# KiCad board pcb.kicad_pcb (continued)
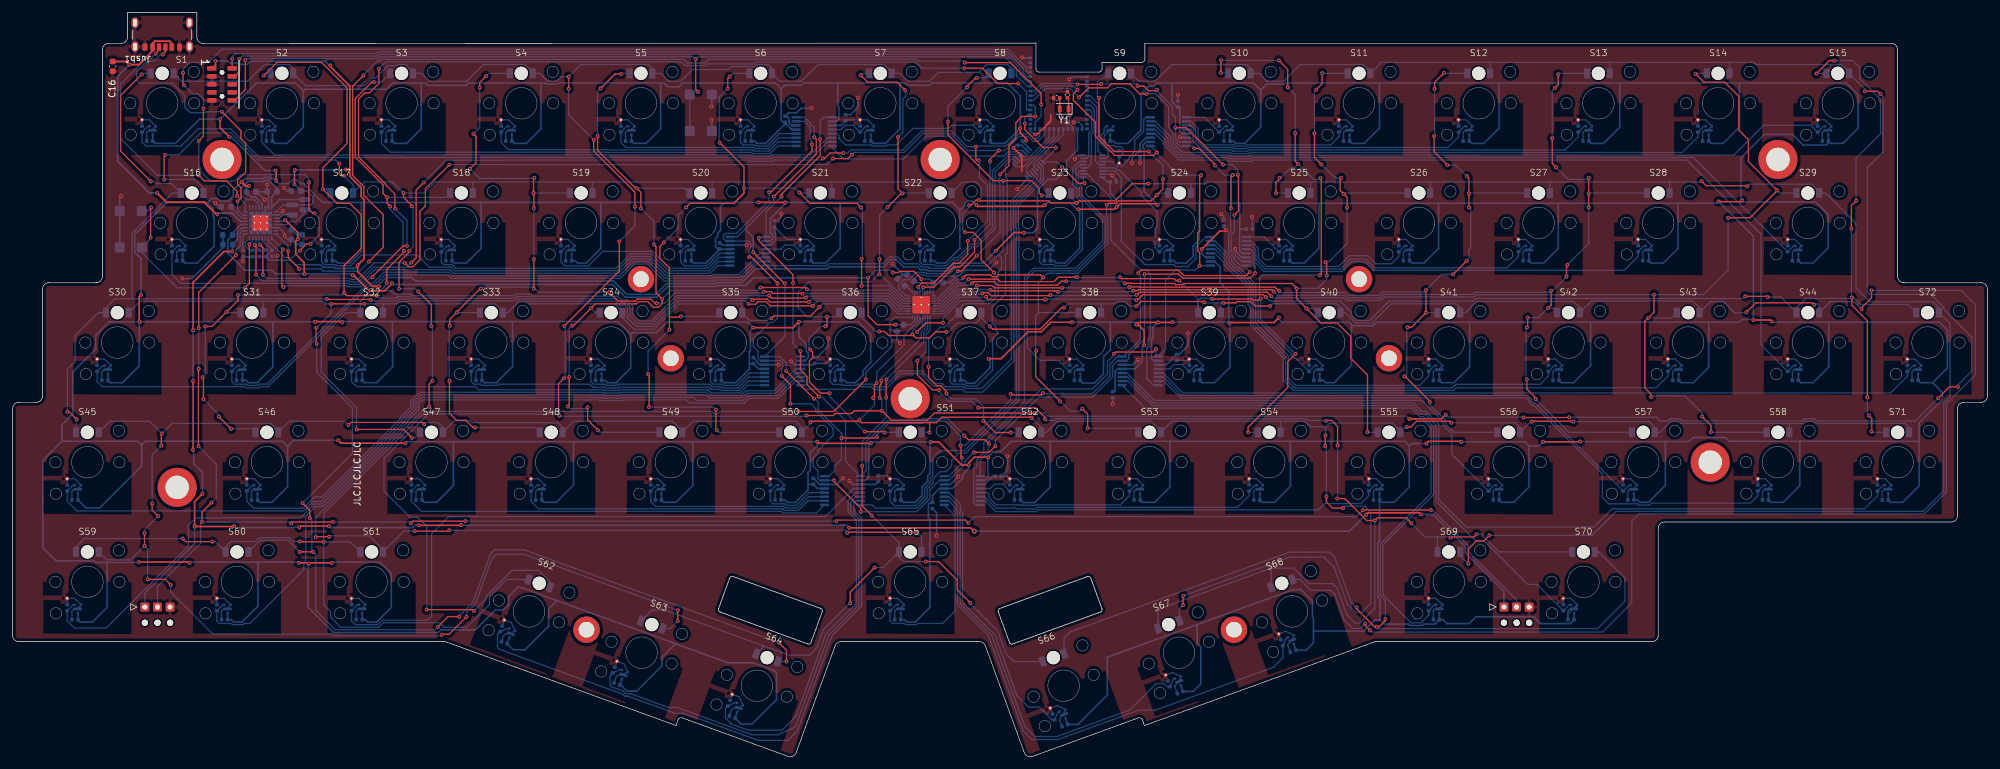
[diagram p0: board, top side]
## Routing (per net, layer and track width the routed paths; a pad name or vN(x,y) marks a point on that pad's centre or on a via; arc(x,y) is an arc through that point) (continued)
  vias: v1(178.6,106.47)
/NRESET: length 146.9
  Top w0.2: v1(108.44,110.73) 108.44,105.91 v1(108.8,105.55) ; v1(36.94,110.57) 36.94,105.89 35.23,104.18
  Bottom w0.2: M1.7 161.05,106.42 159.35,108.13 159.35,109.29 157.53,111.11 108.81,111.11 v1(108.44,110.73) 108.07,111.11 58.36,111.11 58.08,110.82 37.19,110.82 v1(36.94,110.57) ; v1(108.8,105.55) 107.93,105.55 ; SW1.2 SW1.2
/SCL: length 182.3
  Top w0.2: v1(152.92,96.83) 152.92,94.82 153.06,94.68 v1(153.37,94.68) ; v1(38.63,76.52) 38.63,81.11 38.51,81.24 v1(38.42,81.24) ; v1(65.26,91.13) 64.06,89.93 64.06,79.17 v1(63.3,78.41) ; v1(128.62,94.96) 128.68,94.9 128.85,94.9 129.77,95.82 v1(131.87,95.82) ; v1(151.61,81.83) 151.61,79.71 150.21,78.31 149.37,78.31 146.23,75.16 144.34,75.16 v1(143.75,74.57)
  Bottom w0.2: PMIC1.14 38.62,81.44 v1(38.42,81.24) 38.42,81.16 R1.2 ; LEDDR1.28 144.05,74.16 143.75,74.46 v1(143.75,74.57) ; v1(131.87,95.82) 132.57,95.82 133.06,96.31 141.35,96.31 144.36,99.32 149.03,99.32 151.52,96.83 v1(152.92,96.83) 153.01,96.92 157.73,96.92 159.66,98.85 161.37,98.85 162.1,98.13 162.63,98.13 163.05,98.55 M1.18 ; v1(151.61,81.83) 154.76,84.98 154.76,90.68 153.47,91.96 153.47,94.58 v1(153.37,94.68) ; v1(128.62,94.96) 128.62,94.9 128.43,94.71 120.91,94.71 120.72,94.52 117.03,94.52 116.84,94.71 78.43,94.71 78.39,94.67 68.8,94.67 v1(65.26,91.13) ; v1(38.63,76.52) 39.63,75.52 53.4,75.52 53.55,75.37 54.96,75.37 57.28,77.68 62.57,77.68 v1(63.3,78.41)
/SDA: length 180.7
  Top w0.2: v1(156.57,96.22) 155.16,94.81 v1(155.16,94.49) ; v1(39.72,76.52) 39.73,76.53 39.73,80.8 v1(39.27,81.25) ; v1(144.57,74.51) 146.25,74.51 149.45,77.72 150.36,77.72 152.71,80.07 v1(152.71,82.03) ; v1(69.34,93.97) 65.53,90.16 65.53,87.43 64.67,86.58 64.67,78.87 63.55,77.74 62.88,77.74 v1(62.23,78.39) ; v1(130.24,94.94) 132.59,94.94 v1(133.22,95.57)
  Bottom w0.2: v1(155.16,94.49) 155.16,93.13 155.16,93.13 155.16,84.48 v1(152.71,82.03) ; v1(39.72,76.52) 40.32,75.92 53.57,75.92 53.72,75.77 54.8,75.77 57.42,78.39 v1(62.23,78.39) ; v1(144.57,74.51) 144.45,74.39 LEDDR1.29 ; v1(69.34,93.97) 129.27,93.97 v1(130.24,94.94) ; M1.19 163.8,98.73 162.73,97.66 161.99,97.66 161.2,98.45 159.83,98.45 157.6,96.22 v1(156.57,96.22) 151.56,96.22 148.86,98.92 144.53,98.92 141.51,95.91 133.56,95.91 v1(133.22,95.57) ; PMIC1.13 39.12,81.4 v1(39.27,81.25) 39.34,81.25 R2.2
/SW0: length 888.1
  Top w0.2: v1(239.84,53.82) 247.07,53.82 v1(247.11,53.86) ; v1(98.79,87.29) 98.79,89.6 92.25,96.14 v1(92.25,97.92) ; v1(294.04,105.63) 296.1,105.63 v1(296.52,105.21) ; v1(305.7,56.91) 307.49,58.7 v1(308.83,58.7) ; v1(162.26,54.53) 146.34,54.53 145.2,53.39 139.51,53.39 v1(138.02,54.88) 133.61,54.88 133.18,54.45 130.62,54.45 130.3,54.13 v1(126.02,54.13) ; v1(73.22,23.08) 72.99,23.31 v1(65.73,23.31) ; v1(221.73,53.6) 222.69,53.6 222.71,53.62 226.86,53.62 v1(227.49,54.26) ; v1(96.32,81.77) 96.32,77.1 v1(87.58,68.36) ; v1(88.27,107.95) v1(88.27,106.03) ; v1(217.93,21.8) 217.93,21.58 216.94,20.59 v1(216.53,20.59) 216.22,20.59 213.36,23.45 v1(213.36,23.64) ; v1(86.81,54.1) 86.66,54.25 86.66,59.19 v1(87.54,60.06) ; v1(137.89,59.67) 137.89,59.1 137.66,58.87 v1(137.66,56.94)
  Bottom w0.2: 253.52,110.22 253.55,110.19 D13.2 ; 253.52,110.22 234.49,110.22 ; 253.52,110.22 272.5,110.22 ; v1(227.49,54.26) 227.87,53.88 239.78,53.88 v1(239.84,53.82) ; v1(247.11,53.86) 260.95,53.86 261.54,53.27 262.74,53.27 263.09,53.62 264.66,53.62 265.01,53.27 284.11,53.27 284.46,53.62 286.04,53.62 286.39,53.27 302.06,53.27 v1(305.7,56.91) ; 294.68,73.5 294.81,73.37 ; 294.68,73.5 294.81,73.37 ; 294.68,73.5 294.42,73.76 294.42,93.47 296.93,95.98 296.93,104.8 v1(296.52,105.21) ; 294.81,73.37 304.51,73.37 306.6,71.29 306.6,71 311.01,66.59 311.01,61.18 308.83,59 v1(308.83,58.7) ; D9.2 178.8,107.22 181.37,107.22 184.02,109.87 195.95,109.87 196.55,109.27 D10.2 197.88,108.47 199.13,107.22 201.76,107.22 204.41,109.87 214.33,109.87 215.55,108.65 ; 63.55,108.65 62.33,109.87 61.07,109.87 60.89,109.69 59.56,109.69 59.15,109.29 59.15,109.28 57.6,107.73 57.1,107.73 55.89,106.52 46.5,106.52 D2.2 44.55,109.27 43.95,109.87 39.97,109.87 37.32,107.22 26.8,107.22 D1.2 ; 82.55,108.65 81.33,109.87 74.75,109.87 72.09,107.21 66.14,107.21 64.88,108.47 D3.2 ; v1(138.02,54.88) 138.02,56.58 v1(137.66,56.94) ; v1(137.89,59.67) 137.89,60.06 144.22,66.39 144.22,67.41 144.85,68.03 LEDDR1.11 ; v1(88.27,106.03) 88.27,101.9 v1(92.25,97.92) ; 234.49,110.22 234.55,110.16 D12.2 ; 234.49,110.22 217.3,110.22 D11.2 ; D4.2 83.69,108.47 84.94,107.22 86.37,107.22 87.1,107.95 v1(88.27,107.95) 90.19,109.87 100.95,109.87 101.55,109.27 D5.2 102.88,108.47 104.13,107.22 106.05,107.22 107.9,109.07 113.55,109.07 114.03,109.55 116.42,109.55 116.44,109.57 117.46,109.57 117.48,109.55 117.85,109.55 118.17,109.87 119.95,109.87 120.55,109.27 D6.2 121.8,107.22 125.22,107.22 127.87,109.87 138.33,109.87 139.55,108.65 ; v1(213.36,23.64) 213.28,23.64 212.53,24.39 209.91,31.58 209.05,32.44 202.7,32.44 167.94,19.79 166.92,18.77 D66.2 ; v1(98.79,87.29) 98.79,84.24 v1(96.32,81.77) ; D14.2 272.55,110.17 272.5,110.22 ; v1(216.53,20.59) 216.83,20.29 251.61,20.29 255.95,24.63 255.95,28.35 251.82,32.47 D70.2 ; v1(162.26,54.53) 163.83,54.53 164.34,54.02 221.31,54.02 v1(221.73,53.6) 221.79,53.54 223.81,53.54 225.19,52.16 225.19,41.77 217.15,33.73 217.15,25.49 217.93,24.71 v1(217.93,21.8) ; 272.5,110.22 276.37,110.22 276.72,109.87 290.33,109.87 291.55,108.65 ; D7.2 140.88,108.47 142.13,107.22 145.55,107.22 146.94,108.62 153.34,108.62 154.6,109.87 157.95,109.87 158.55,109.27 ; v1(87.58,68.36) 87.72,68.22 87.72,60.24 v1(87.54,60.06) ; v1(65.73,23.31) 65.76,23.34 65.76,36.5 64.26,38 63.1,38 58.97,42.13 58.97,47.36 65.99,54.38 86.54,54.38 v1(86.81,54.1) 86.89,54.02 125.92,54.02 v1(126.02,54.13) ; D62.2 85.29,27.78 83.52,29.54 79.3,29.54 75.31,25.55 75.31,25.17 v1(73.22,23.08) ; D15.2 294.04,105.98 v1(294.04,105.63)
/SW1: length 660.7
  Top w0.2: v1(234.44,35.1) 233.56,34.22 232.38,34.22 231.11,32.96 v1(231.11,30.6) ; v1(151.84,87.52) 152.13,87.52 152.94,88.33 v1(153.36,88.33) 153.46,88.22 164.51,88.22 164.86,87.88 v1(168.92,87.88) 169.27,88.22 175,88.22 177.73,90.95 v1(180.3,90.95) ; v1(62.06,89.47) 62.06,88.79 63.36,87.49 v1(63.36,87.35) ; v1(52.56,92.23) 52.21,92.23 51.87,92.57 v1(51.87,94.12) ; v1(143.59,67.44) 145.01,68.86 v1(147.73,68.86) ; v1(143.59,35.61) 132.61,35.61 v1(132.51,35.51) ; v1(151.2,83.26) 151.24,83.22 152.47,83.22 153.76,81.93 153.76,78.88 v1(155.8,76.84) ; v1(66.48,68.33) 66.48,71.73 v1(64.4,73.81) ; v1(24.21,95.53) 24.07,95.39 v1(24.07,91.61) ; v1(275.4,90.54) 275.31,90.63 268.85,90.63 v1(268.12,91.36) ; v1(61.34,74.27) 61.34,78.45 62.97,80.09 v1(62.97,80.29) ; v1(66.64,59.63) 66.13,59.12 v1(66.13,55.53) ; v1(50.26,34.89) 48.18,34.89 v1(48.11,34.82) ; v1(69.33,35.9) 69.21,35.78 v1(63.82,35.78)
  Bottom w0.2: v1(24.07,91.61) 28.96,91.61 30.3,90.27 D16.2 ; v1(63.36,87.35) 63.57,87.15 63.57,80.94 62.97,80.34 v1(62.97,80.29) ; D61.2 62.11,35.78 v1(63.82,35.78) ; v1(48.11,34.82) 48.11,37.92 49.47,39.28 49.47,39.28 65.3,55.11 65.32,55.11 65.39,55.18 65.47,55.18 65.83,55.53 v1(66.13,55.53) ; v1(61.34,74.27) 63.95,74.27 v1(64.4,73.81) ; D19.2 92.05,91.18 92.01,91.22 ; v1(24.21,95.53) 26.36,95.53 29.85,99.02 34.71,99.02 39.02,94.71 51.28,94.71 v1(51.87,94.12) ; D18.2 73.05,91.19 73.08,91.22 ; D21.2 130.05,91.22 ; 130.05,91.22 147.48,91.22 149.05,89.65 ; 130.05,91.22 111.04,91.22 ; D23.2 168.05,88.75 v1(168.92,87.88) ; D26.2 225.05,91.21 225.06,91.22 ; v1(180.3,90.95) 187.05,90.95 ; 187.05,90.95 D24.2 ; 187.05,90.95 189.35,90.95 189.63,91.22 206.05,91.22 ; D20.2 111.05,91.21 111.04,91.22 ; D28.2 263.05,91.22 ; 263.05,91.22 267.98,91.22 v1(268.12,91.36) ; 263.05,91.22 244.05,91.22 ; v1(153.36,88.33) 153.75,88.72 153.75,90.35 152.87,91.22 150.8,91.22 D22.2 ; LEDDR1.12 144.45,68.3 v1(143.59,67.44) ; 58.8,32.87 56.65,35.02 50.39,35.02 v1(50.26,34.89) ; D27.2 244.05,91.22 ; 244.05,91.22 225.06,91.22 ; 206.05,91.22 225.06,91.22 ; 206.05,91.22 D25.2 ; D29.2 287.81,89.47 292.63,84.65 292.63,74.42 294.85,72.2 304.87,72.2 305.8,71.27 D72.2 307.57,68.7 307.57,57.15 306.57,56.15 306.57,42.17 303.31,38.91 254.56,38.91 250.75,35.1 v1(234.44,35.1) ; v1(147.73,68.86) 147.73,69.62 150.48,72.36 154.93,72.36 155.96,73.39 155.96,76.68 v1(155.8,76.84) ; 111.04,91.22 92.01,91.22 ; 73.08,91.22 67.04,91.22 65.29,89.47 v1(62.06,89.47) 60.28,91.25 55.83,91.25 D17.2 54.05,90.74 v1(52.56,92.23) ; 73.08,91.22 92.01,91.22 ; 286.8,89.65 285.58,90.87 275.73,90.87 v1(275.4,90.54) ; v1(132.51,35.51) 132.51,35.69 132.3,35.9 v1(69.33,35.9) ; D65.2 144.3,34.9 v1(143.59,35.61) ; v1(66.64,59.63) 66.64,68.17 v1(66.48,68.33) ; v1(151.2,83.26) 150.82,83.64 150.82,86.22 151.84,87.23 v1(151.84,87.52) ; v1(231.11,30.6) 229.8,31.91
/SW2: length 652.7
  Top w0.2: v1(215.5,20.02) 214.72,20.8 v1(214.72,21.09) ; v1(295.1,74) 295.1,72.82 293.47,71.19 293.47,71.07 v1(293.53,71.01) ; v1(121.62,18.08) 122.85,16.86 v1(122.85,15.07) ; v1(286.02,71.74) 285.75,72.02 276.72,72.02 v1(275.25,70.54) ; v1(189.18,72.11) 189.05,72.24 179.14,72.24 v1(178.38,71.49) ; v1(67.51,20.58) 69.13,22.2 v1(70.92,22.2) 70.85,22.27 70.85,22.28 ; v1(46.03,40.24) 47.18,39.09 v1(47.18,37.86) ; v1(148.23,67.43) 146.51,67.43 145.55,66.47 143.39,66.47 v1(142.86,67.01) 142.69,66.84 139.08,66.84 138.45,67.47 v1(137.59,67.47) ; v1(166.92,71.26) 166.53,71.26 163.13,67.86 155.57,67.86 v1(155.15,68.28) ; v1(45.57,32.47) 45.58,32.48 47.71,32.48 v1(47.72,32.47) ; v1(120.47,69.56) 120.86,69.95 126.67,69.95 v1(128.11,71.39) ; v1(50.57,71.85) 50.59,71.87 v1(55.85,71.87) ; v1(192.26,72.02) 194.18,72.02 194.38,72.22 196.61,72.22 197.31,71.52 v1(199.64,71.52) 199.63,71.51 ; v1(48.28,65.51) 48.18,65.61 48.18,68.02 v1(48.21,68.05)
  Bottom w0.2: v1(128.11,71.39) 128.59,71.87 133.58,71.87 134.8,70.65 ; D60.2 39.27,34.32 43.72,34.32 v1(45.57,32.47) ; v1(275.25,70.54) 275.16,70.46 273.39,70.46 271.62,72.22 269.55,72.22 D43.2 267.8,71.27 266.75,72.32 250.65,72.32 D42.2 248.8,71.27 247.82,72.25 232.41,72.25 230.63,70.47 D41.2 229.8,71.27 229.2,71.87 218.86,71.87 215.81,68.82 213.21,68.82 211.56,70.47 D40.2 210.8,71.27 210.18,71.89 200.01,71.89 v1(199.64,71.52) ; 84.78,31.49 81.16,32.81 76.54,32.81 75.85,32.11 73.05,24.43 70.92,22.3 v1(70.92,22.2) ; 172.76,71.87 175.03,71.87 175.38,72.22 176.62,72.22 177.35,71.49 v1(178.38,71.49) 178.63,71.49 178.63,71.76 ; 172.76,71.87 167.53,71.87 v1(166.92,71.26) ; 172.76,71.87 172.8,71.83 D38.2 ; 84.7,31.52 v1(121.62,18.08) ; D39.2 191.8,71.94 191.72,72.02 ; v1(120.47,69.56) 120.13,69.56 119.79,69.22 117.05,69.22 D35.2 115.8,71.85 115.78,71.87 105.83,71.87 105.19,71.23 101.79,67.84 98.63,67.84 96.8,69.67 D34.2 ; LEDDR1.13 144.05,68.82 142.86,67.62 v1(142.86,67.01) ; D30.2 20.22,72.27 39.73,72.27 ; 77.8,70.65 76.58,71.87 62.97,71.87 62.62,72.22 61.38,72.22 61.03,71.87 58.75,71.87 ; 58.75,71.87 58.8,71.82 D32.2 ; 58.75,71.87 v1(55.85,71.87) ; v1(189.18,72.11) 189.27,72.02 191.72,72.02 ; v1(293.53,71.01) 292.31,72.23 288.56,72.23 D44.2 286.8,71.65 286.56,71.88 286.16,71.88 v1(286.02,71.74) ; 191.72,72.02 v1(192.26,72.02) ; v1(215.5,20.02) 215.77,19.75 252.41,19.75 257.04,24.38 257.04,37.36 258.19,38.51 303.48,38.51 306.97,42 307,42.03 307,56.01 308.58,57.59 308.58,57.59 311.59,60.6 311.59,71.73 309.32,74 v1(295.1,74) ; 134.8,69.67 137,67.47 v1(137.59,67.47) ; D64.2 122.85,15.07 v1(122.85,15.07) ; D31.2 39.8,72.2 39.73,72.27 ; D33.2 78.63,70.47 80.38,72.22 81.62,72.22 81.97,71.87 95.58,71.87 96.8,70.65 ; D68.2 204.36,28.1 206.08,26.38 209.25,26.38 209.9,25.73 211.38,21.66 211.38,21.66 212.72,20.33 213.97,20.33 v1(214.72,21.09) ; v1(46.03,40.24) 53.95,48.16 53.95,55.34 48.28,61.01 v1(48.28,65.51) ; 39.73,72.27 49.3,72.27 49.72,71.85 v1(50.57,71.85) 50.57,70.41 v1(48.21,68.05) ; v1(148.23,67.43) 148.59,67.43 149.98,68.82 152.95,68.82 153.8,69.67 D37.2 153.8,69.63 v1(155.15,68.28) ; v1(47.18,37.86) 47.5,37.54 47.5,32.69 v1(47.72,32.47) 48.13,32.06 48.13,23.2 51.22,20.11 67.04,20.11 v1(67.51,20.58)
/SW3: length 550.5
  Top w0.2: v1(208.38,49.28) 208.38,50.94 v1(208.42,50.98) ; v1(221.31,52.32) 221.98,52.32 222.88,53.22 228.17,53.22 v1(228.41,52.98) ; v1(68.13,19.33) 68.22,19.41 69.31,19.41 v1(72.07,22.17) 71.93,22.31 71.9,22.31 ; v1(23.11,38.15) 22.16,39.1 v1(22.16,40.15) ; v1(65.34,52.75) 65.04,53.04 53.69,53.04 v1(53.3,52.65) ; v1(241.16,53.15) 241.23,53.22 247.7,53.22 v1(247.76,53.16) ; v1(136.61,56.93) 136.81,57.13 136.81,58.94 v1(137.17,59.31) ; v1(208.56,41.31) 208.56,40.4 209.54,39.42 v1(211.2,39.42) ; v1(25.11,27.24) 24.22,28.12 v1(21.44,28.12) ; v1(145.55,51.44) 145.58,51.47 145.58,52.99 ; 145.58,52.99 134.79,52.99 v1(134.41,53.37) 134.26,53.22 126.77,53.22 v1(126.64,53.09) ; 145.58,52.99 146.65,52.99 147.54,53.88 161.66,53.88 v1(161.8,53.74) ; v1(185.81,24.03) 185.81,25.46 v1(185.86,25.51) ; v1(23.7,51.28) 23.61,51.19 v1(23.61,49.35) ; v1(105.59,21.5) 105.59,23.19 v1(105.61,23.21) ; v1(20.94,35.47) v1(20.94,33.42)
  Bottom w0.2: D53.2 184.05,53.22 201.28,53.22 ; D58.2 282.05,52.85 282.03,52.87 ; 201.28,53.22 205.12,53.22 205.99,52.35 208.42,52.35 v1(208.42,50.98) 208.42,52.27 209.08,52.93 219.02,52.93 220.3,51.65 ; 201.28,53.22 201.3,53.2 D54.2 ; D46.2 43.93,53.22 52.73,53.22 v1(53.3,52.65) ; LEDDR1.14 143.65,68.98 141.51,66.84 141.51,65.36 137.17,61.03 v1(137.17,59.31) ; v1(221.31,52.32) 221.15,52.32 D55.2 ; v1(241.16,53.15) 240.98,53.15 D56.2 239.3,52.27 238.59,52.98 v1(228.41,52.98) ; v1(211.2,39.42) 211.52,39.74 214.63,39.74 215.61,38.76 215.61,24.32 214.18,22.89 213.19,22.89 211.92,24.16 209.78,30.04 208.17,31.65 202.74,31.65 v1(185.86,25.51) ; D67.2 185.22,23.44 v1(185.81,24.03) 185.81,23.9 ; v1(105.61,23.21) 81.15,32.11 76.78,32.11 76.09,31.41 73.42,24.09 73.06,23.73 72.95,23.73 72.07,22.85 v1(72.07,22.17) ; v1(134.41,53.37) 136.81,55.77 136.81,56.73 v1(136.61,56.93) ; 105.52,21.57 v1(105.59,21.5) 104.41,20.32 D63.2 ; D59.2 14.93,31.22 18.74,31.22 v1(20.94,33.42) 21.44,32.92 v1(21.44,28.12) ; v1(22.16,40.15) 22.16,47.9 v1(23.61,49.35) ; v1(20.94,35.47) 20.94,35.98 v1(23.11,38.15) ; D45.2 15.43,53.22 21.76,53.22 v1(23.7,51.28) 25.29,52.87 40.96,52.87 42.17,51.65 ; 282.03,52.87 284.28,52.87 284.63,53.22 285.87,53.22 286.22,52.87 300.45,52.87 301.05,52.27 D71.2 ; 282.03,52.87 264.85,52.87 264.5,53.22 263.25,53.22 261.5,51.47 D57.2 260.68,52.27 259.78,53.16 v1(247.76,53.16) ; D51.2 145.52,51.47 v1(145.55,51.44) ; 161.94,53.74 v1(161.8,53.74) 163.3,52.24 D52.2 164.13,51.47 165.88,53.22 180.73,53.22 182.3,51.65 ; v1(208.38,49.28) 208.56,49.1 v1(208.56,41.31) ; 106.3,51.65 104.73,53.22 89.05,53.22 D48.2 87.3,52.27 86.6,52.97 85.17,52.97 85.15,52.99 72.92,52.99 72.61,53.3 70.13,53.3 D47.2 68.3,52.27 67.53,53.04 65.63,53.04 v1(65.34,52.75) ; 126.79,53.04 126.74,53.09 v1(126.64,53.09) 126.64,52.81 D50.2 125.3,52.27 124.35,53.22 108.05,53.22 D49.2 ; v1(25.11,27.24) 25.11,26.12 31.81,19.41 50.62,19.41 50.87,19.16 67.97,19.16 v1(68.13,19.33)
/SWDCLK: length 131.3
  Top w0.2: v1(36.02,110.76) 36.02,108.79 35.23,107.99
  Bottom w0.2: v1(36.02,110.76) 36.48,111.22 57.92,111.22 58.2,111.51 157.7,111.51 159.94,109.26 159.94,108.29 161.05,107.17 M1.6
/SWDIO: length 131
  Top w0.2: JTAG1.2 v1(34.86,110.78)
  Bottom w0.2: v1(34.86,110.78) 34.86,111.17 35.32,111.62 36.1,111.62 36.1,111.62 57.75,111.62 58.03,111.91 104.42,111.91 104.43,111.91 105.43,111.91 105.44,111.91 157.86,111.91 160.34,109.43 160.34,109.43 160.38,109.39 160.38,108.6 161.05,107.92 M1.5
/VOUT2: length 21
  Bottom w0.25: PMIC1.28 39.12,87.62 38.34,88.41 37.06,88.41 36.29,89.18 36.29,90.25 37.34,91.3 39.94,91.3 40.15,91.51 40.67,91.51 41.99,90.19 C24.1 41.12,88.85 PMIC1.32 42.38,88.43 L2.1
/VSYS: length 156.2
  Top w0.2: v1(144.28,75.81) 144.28,75.83 143.07,77.03 140.83,77.03 140.64,76.84 v1(139.76,76.84) ; v1(135.81,76.01) 135.81,69.96 137.2,68.57 v1(140.22,68.57)
  Top w0.25: v1(53.99,76.42) 54.15,76.42 56.62,73.95 59.07,73.95 v1(60.25,75.13) ; 46.31,76.63 v1(46.3,76.62) 46.3,78.41 44.93,79.78 44.93,81.8 v1(45.26,82.13) 45.26,83.21 v1(43.29,85.18) 43.29,85.06
  Bottom w0.2: LEDDR1.1 146.12,73.25 C33.1 145.55,75.81 v1(144.28,75.81) ; v1(139.76,76.84) 139.4,77.2 137,77.2 v1(135.81,76.01) 135.9,76.01 ; C34.1 142.57,68.55 143.25,69.23 LEDDR1.15 ; v1(140.22,68.57) 141.44,68.57
  Bottom w0.25: v1(45.26,82.13) 45.26,82.19 C9.1 45.05,82.87 C8.1 ; PMIC1.4 43.08,84.97 v1(43.29,85.18) ; v1(60.25,75.13) 60.44,74.94 95.26,74.94 97.28,72.92 102.28,72.92 104,74.63 111.57,74.63 111.72,74.79 115.93,74.79 115.93,74.79 116.41,74.79 117.63,76.01 v1(135.81,76.01) ; v1(53.99,76.42) 53.99,76.57 53.93,76.62 v1(46.3,76.62) 41.75,76.62 41.17,77.2 36.91,77.2 34.16,79.94 34.16,82.05 C10.1 ; 34.92,83.15 36.25,84.47 PMIC1.20
Net-(BAT1-NTC): length 285.9
  Top w0.2: v1(225.13,39.12) 214.39,39.12 v1(214.36,39.09) ; v1(29.51,49.24) 29.5,49.25 29.5,61.52 v1(29.54,61.56) ; v1(130.76,37.34) 130.95,37.53 151.28,37.53 v1(151.72,37.09) ; v1(50.86,37.22) 44.46,37.22 v1(44.25,37.01) ; v1(63.25,37.01) 63.6,37.36 v1(71.88,37.36) ; v1(29.54,68.02) 29.55,68.03 29.55,73.7 v1(35.45,79.6) ; v1(31.58,40.3) 30.06,38.79 v1(30.06,37.22)
  Bottom w0.2: v1(35.45,79.6) 35.45,80.41 36.13,81.09 36.13,83.09 36.51,83.47 PMIC1.18 ; v1(50.86,37.22) 63.04,37.22 v1(63.25,37.01) ; v1(31.58,40.3) 32.33,41.05 32.33,46.42 v1(29.51,49.24) ; v1(44.25,37.01) 44.04,37.22 v1(30.06,37.22) 29.84,37 29.84,33.85 23,27.01 BAT1.2 ; v1(130.76,37.34) 130.74,37.36 v1(71.88,37.36) ; v1(29.54,68.02) v1(29.54,61.56) ; v1(151.72,37.09) 152.69,38.06 213.33,38.06 v1(214.36,39.09) ; BAT2.2 238.75,24.85 231.05,32.55 231.05,33.47 225.4,39.12 v1(225.13,39.12)
Net-(Jusb1-CC1): length 44.5
  Top w0.2: v1(35.72,88.14) 36.27,88.69 36.27,90.3 35.7,90.87 35.7,91.51 37,92.81 37,97.35 36.25,98.1 36.25,99.33 v1(33.2,102.38) ; v1(23.83,111.46) 24.25,111.88 Jusb1.A5
  Bottom w0.2: v1(23.83,111.46) 23.49,111.46 22.45,110.42 21.38,110.42 19.68,108.73 19.68,107.43 20.19,106.92 25.34,106.92 27.32,104.94 27.32,103.1 28.2,102.22 30.56,102.22 30.72,102.38 v1(33.2,102.38) ; PMIC1.23 36.51,85.97 35.72,86.76 v1(35.72,88.14)
Net-(Jusb1-CC2): length 43.3
  Top w0.2: 35.62,88.99 v1(35.66,88.95) 35.66,89.69 33.95,91.39 30.46,91.39 v1(29.57,92.28) ; Jusb1.B5 23.25,112.14 v1(22.71,111.6)
  Bottom w0.2: v1(22.71,111.6) 21.93,110.82 21.21,110.82 17.13,106.74 17.13,98.14 22.98,92.28 v1(29.57,92.28) ; PMIC1.24 36.92,87.79 35.76,88.95 v1(35.66,88.95)
Net-(LEDDR1-VCAP): length 1.7
  Bottom w0.2: C32.2 141.81,74.75 LEDDR1.25
Net-(M1-P1.00/XL1): length 5.3
  Top w0.2: C1.1 167.63,104.42 Y1.1 167.63,101.98 v1(167.78,101.83)
  Bottom w0.2: M1.25 168.3,99.89 167.77,100.42 167.77,101.82 v1(167.78,101.83)
Net-(M1-P1.01/XL2): length 5.5
  Top w0.2: C2.1 166.23,104.55 Y1.2 166.23,101.88 v1(166.36,101.75)
  Bottom w0.2: M1.24 167.37,99.81 167.37,100.74 v1(166.36,101.75)
Net-(PMIC1-SHPHLD): length 36.5
  Top w0.2: v1(37.59,81.32) 37.59,75.11 v1(36.9,74.42) ; v1(21.98,87.16) 21.9,87.08 v1(21.9,82.4)
  Bottom w0.2: v1(21.98,87.16) 21.44,86.62 SW2.2 ; v1(21.9,82.4) 21.9,82.22 SW2.2 20.5,80.02 26.1,74.42 v1(36.9,74.42) ; v1(37.59,81.32) 38.12,81.85 PMIC1.15
Net-(PMIC1-SW1): length 2.8
  Bottom w0.2: L1.2 42.9,85.99 42.38,85.47 PMIC1.3
Net-(PMIC1-SW2): length 5.8
  Bottom w0.2: PMIC1.5 43.55,84.47 44,84.92 44.95,84.92 46.46,86.43 L2.2
Net-(PMIC1-VBUS): length 53.1
  Top w0.3: v1(22.96,89.48) 24.42,88.02 30.43,88.02 32.37,86.08 v1(32.5,86.08) ; C16.1 18.05,110.36 v1(18.54,109.86) 20.05,109.86 22.23,112.04 Jusb1.A9 22.23,113.24 22.58,113.59 24.92,113.59 25.27,113.24 Jusb1.B9
  Bottom w0.3: PMIC1.21 36.15,84.97 34.85,86.27 32.69,86.27 v1(32.5,86.08) ; v1(22.96,89.48) 21.72,89.48 16.68,94.52 16.68,108 v1(18.54,109.86)
Net-(PMIC1-VSET1): length 2.8
  Bottom w0.2: Rvset1.2 36.64,80.77 36.53,80.88 36.53,82.58 PMIC1.17
Net-(PMIC1-VSET2): length 3
  Bottom w0.2: PMIC1.16 36.93,81.58 36.93,81.05 37.59,80.38 Rvset2.2

## Copper pours and planes (outline as drawn; the poured copper is in the pictures)
GND on Top: -10.9,121.12 317.64,118.7 319.23,-23.35 -10.15,-23.18

Small or netless copper shapes (teardrops, artwork), in the pictures only: 354 on Top, 639 on Bottom
